# Altium PCB slave.PcbDoc (part 1 of 7) (continued)
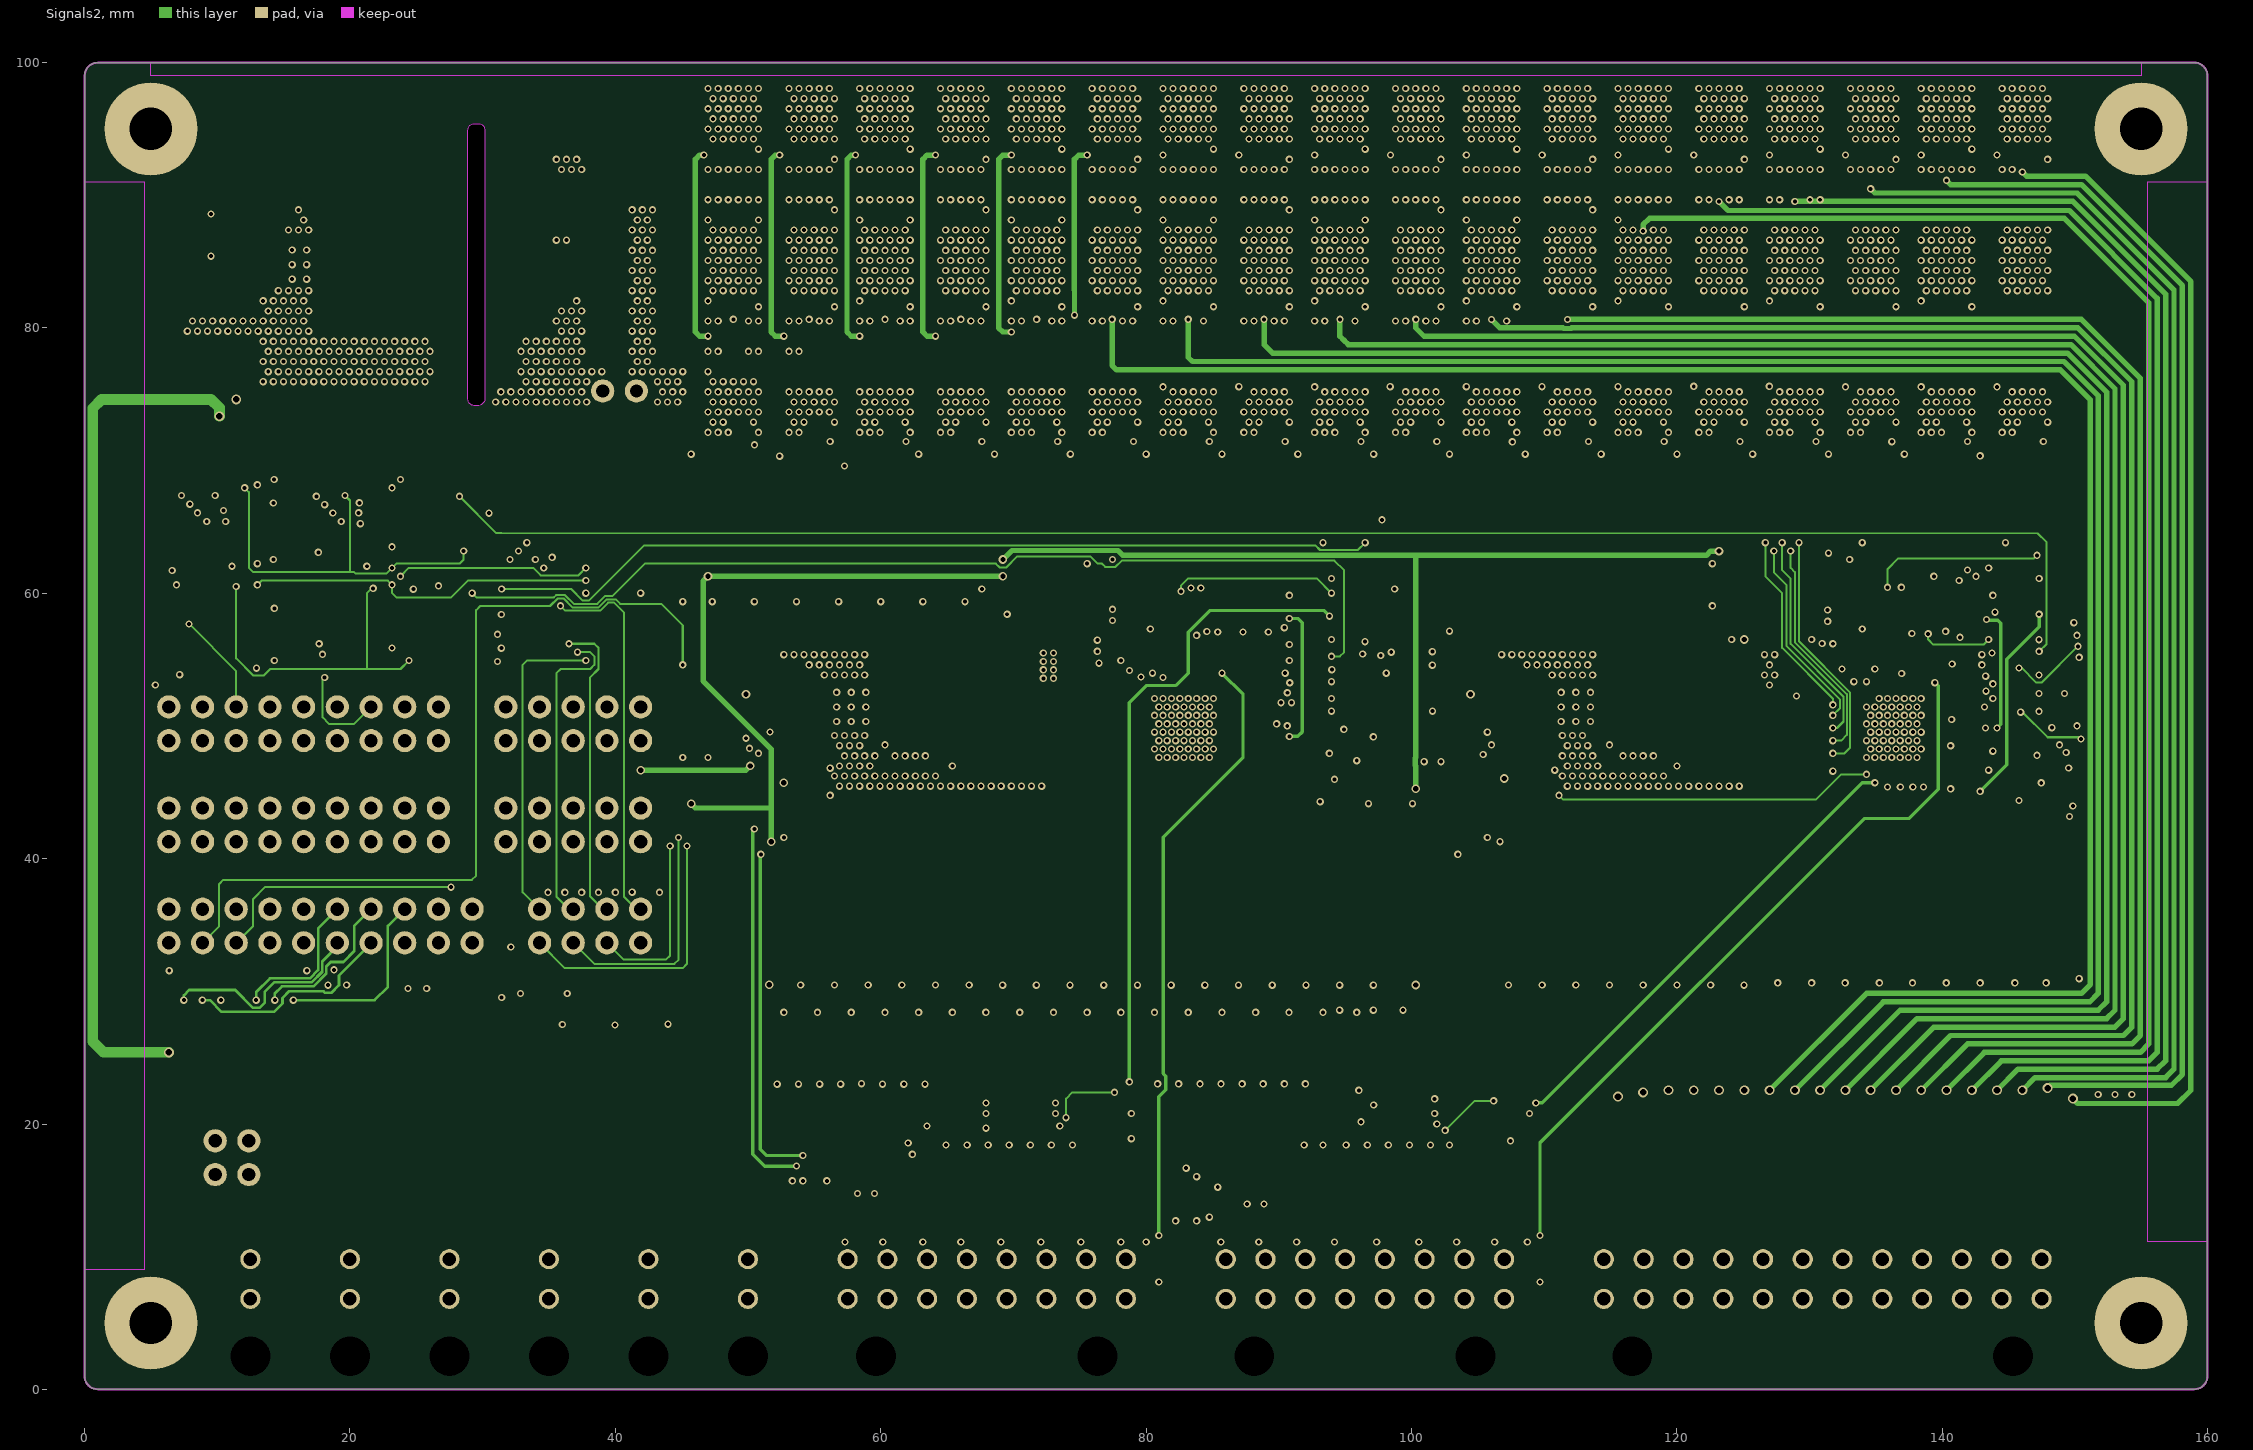
[diagram p4: Signals2]
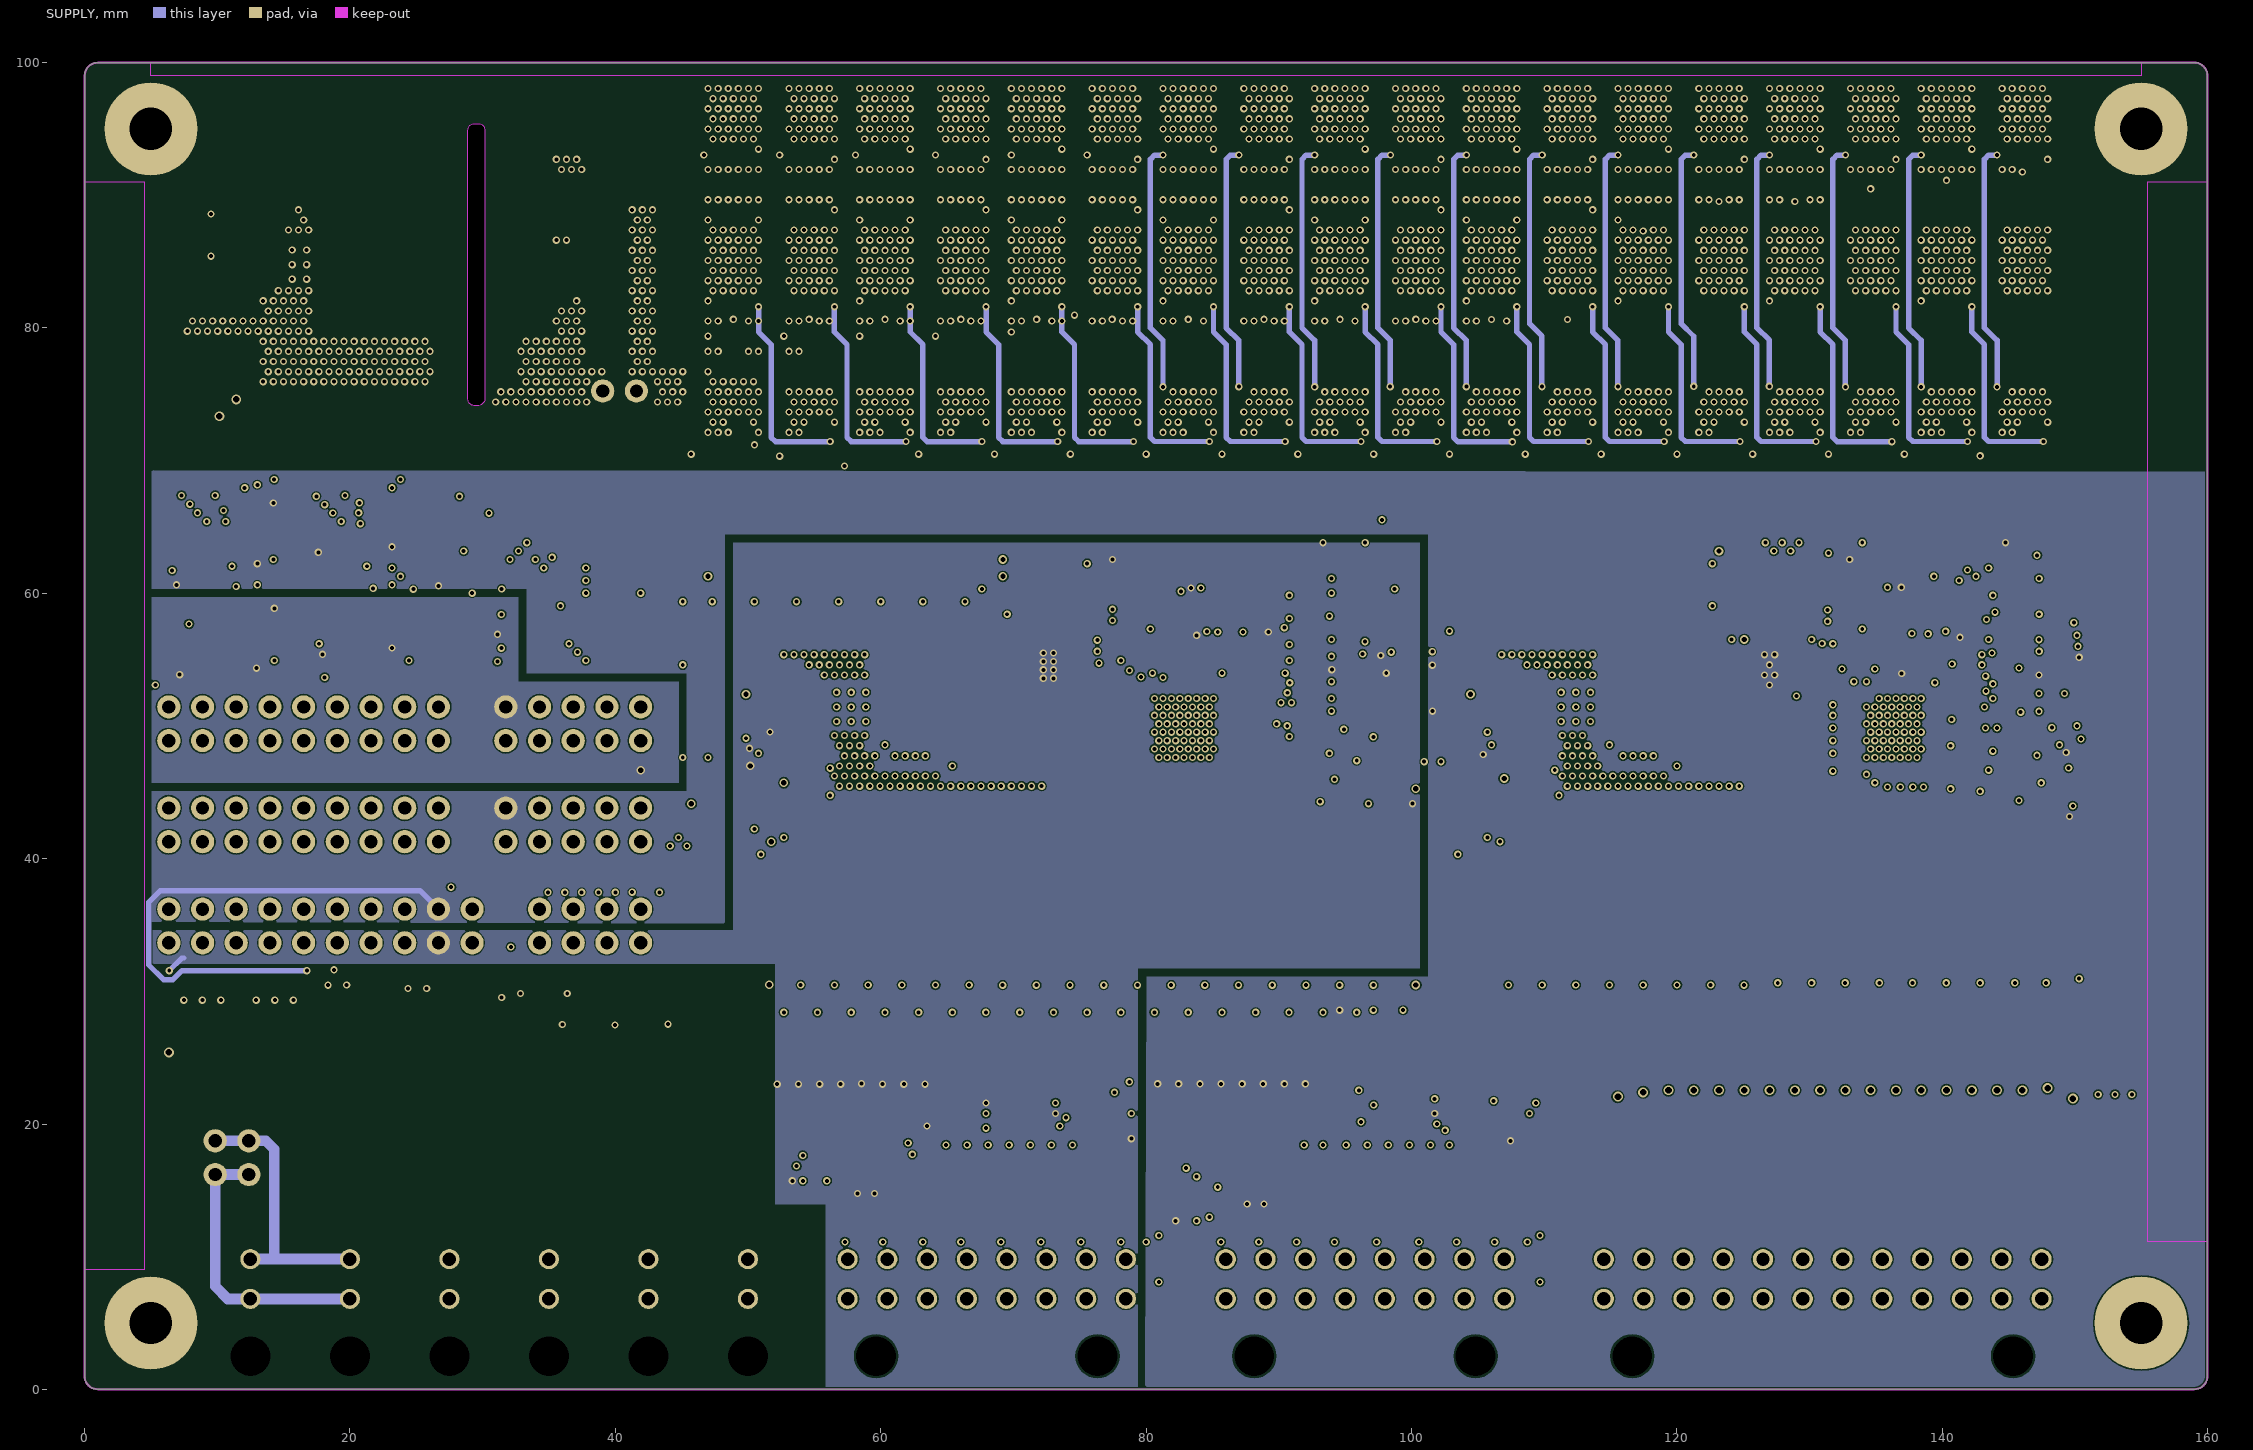
[diagram p5: SUPPLY]

## Layer stack, top to bottom
Top Solder: solder mask 0.015, Solder Resist, Dk 3.5
Top: signal copper 0.035
Dielectric 1: prepreg 0.2, FR-4, Dk 4.2
FUSED_VBAT-: signal copper 0.035
Dielectric2: core 0.35, FR-4, Dk 4.2
Signals1: signal copper 0.035
Dielectric3: prepreg 0.36, FR-4, Dk 4.2
Signals2: signal copper 0.035
Dielectric4: core 0.35, FR-4, Dk 4.2
SUPPLY: signal copper 0.035
Dielectric5: prepreg 0.2, FR-4, Dk 4.2
Bottom: signal copper 0.035
Bottom Solder: solder mask 0.015, Solder Resist, Dk 3.5

## Board outline
1,100 159,100 cw(c159,99) 160,99 160,1 cw(c159,1) 159,0 1,0 cw(c1,1) 0,1 0,99 cw(c1,99)
cut-out: 30.162,94.909 30.162,74.636 cw(c29.595,74.704) 29.527,74.136 29.393,74.136 cw(c29.393,74.636) 28.892,74.636 28.892,94.909 cw(c29.392,94.909) 29.393,95.409 29.663,95.409 cw(c29.663,94.909)

## Design rules (kind name [scope] priority, off if disabled: settings)
AssemblyTestPointUsage [All] p1 off:
AssemblyTestpoint [(IsPad And (OnTopLayer Or OnBottomLayer)) Or (IsPad And OnMultiLayer)] p1 off: testpointundercomponent=FALSE minsize=1.016 maxsize=2.54 preferedsize=1.524 minholesize=0 maxholesize=1.016 preferedholesize=0.813 testpointgrid=0.025 usegrid=TRUE gridtolerance=0 allowsidetop=TRUE
BoardOutlineClearance [All] p1: gap=0.203 ignorepadtopadclearanceinfootprint=FALSE except(0.508: Arc-CavityEdge Track-CavityEdge SMDPad-CavityEdge THPad-CavityEdge Via-CavityEdge Fill-CavityEdge Poly-CavityEdge Region-CavityEdge Text-CavityEdge)
Clearance "Stitching FUSED_CELL_10+" [IsStitchingVia and InNet('FUSED_CELL_10+') vs (IsVia and (Not IsStitchingVia)) Or IsPad] p1: gap=0.127 ignorepadtopadclearanceinfootprint=FALSE
Clearance [All] p2: gap=0.102 ignorepadtopadclearanceinfootprint=TRUE except(0.152: Arc-Text Arc-Hole Track-Text Track-Hole SMDPad-Text SMDPad-Hole THPad-Text THPad-Hole Via-Text Via-Hole Fill-Text Fill-Hole Poly-Text Poly-Hole Region-Text Region-Hole Text-Text Text-Hole; 0.203: Arc-Via Track-Via SMDPad-Via THPad-Via Via-Via)
FabricationTestpoint [All] p1: side=1 testpointundercomponent=TRUE minsize=0.508 maxsize=7.62 preferedsize=1.524 minholesize=0 maxholesize=1.016 preferedholesize=0.813 testpointgrid=0.025 allowsidetop=TRUE usegrid=FALSE gridtolerance=0
HoleSize [All] p1: absolutevalues=TRUE maxlimit=5.994 minlimit=0.2 maxpercent=80.000 minpercent=20.000
HoleToHoleClearance [All] p1: gap=0.152 allowstackedmicrovias=TRUE
MinimumAnnularRing [All] p1: minimumring=0.102
MinimumSolderMaskSliver [All] p1: minsoldermaskwidth=0.102
PlaneConnect [All] p1: planeconnectstyle=Direct reliefexpansion=0.508 reliefentries=4 reliefconductorwidth=0.254 reliefairgap=0.254
PolygonConnect [All] p1: connectstyle=Direct reliefconductorwidth=0.254 reliefentries=4 polygonreliefangle="90 Angle" airgapwidth=0.254
RoutingVias [All] p1: holewidth=0.203 width=0.45 viastyle="Through Hole" minholewidth=0.203 minwidth=0.45 maxholewidth=1 maxwidth=7 useviatemplates=TRUE viatemplateguid#1={0AB7DAA3-F58E-4780-A6E1-94A16C7095C0} viatemplateguid#2={26AB9DC0-33E3-4C9B-870D-B58389854110} viatemplateguid#3={9A71AE2B-4A20-477F-9082-EC06568001AF} viatemplatename#1=0.3mm_tented viatemplatename#2=0.4mm_tented viatemplatename#3=0.5mm_tented
SMDEntry [All] p1: side=TRUE corner=TRUE anyangle=FALSE
SMDToCorner [All] p1: distance=40000
SilkToSolderMaskClearance [IsPad] p1: minsilkscreentomaskgap=0.102 clearancetoexposedcopper=FALSE
SolderMaskExpansion SolderMaskExpansion_VIAs [IsVia] p1: expansion=-10 istentingtop=FALSE // Cover all Vias
SolderMaskExpansion [All] p2: expansion=0.051 istentingtop=FALSE
UnRoutedNet [All] p1: checkbadconnections=TRUE
UnpouredPolygon UnpouredPolygon_1 [All] p1:
Width [All] p1: maxlimit=1.524 minlimit=0.102 preferedwidth=0.152
20 further rules are at their usual default settings.

## Classes and differential pairs
channel class dcdc_converter: U_primary_dcdc_converter U_secondary_dcdc_converter
channel class eeprom_temp_sens: U_primary_eeprom_temp_sens U_secondary_eeprom_temp_sens
channel class digital_io: U_primary_digital_io U_secondary_digital_io
channel class analog_in: U_primary_analog_in U_secondary_analog_in
channel class LTC: U_primary_LTC U_secondary_LTC
channel class input_filter: U_primary_input_filter U_secondary_input_filter
polygon class PolygonThermal_ON_Width60000_Gap78740: Polygon_1_Net_+5.0V_VREG_1
polygon class Isolate_10: Polygon_1_Net_+5.0V_VREG_1
pad class SMDPaste_OFF: IC201-P$1 IC301-P$1

## Components (designator, comment, footprint, x,y, rotation, side; value= is the part's Value field where it differs from the comment)
C100_1 "100n/50V" CAPC1608X08N 109.696,9.842 r90 top (schematic designator C100)
C100_2 "100n/50V" CAPC1608X08N 80.962,9.842 r90 top (schematic designator C100)
C101_1 "1u/50V" CAPC2012X14N 97.314,26.352 r180 top (schematic designator C101)
C101_2 "1u/50V" CAPC2012X14N 63.182,19.844 r90 top (schematic designator C101)
C102_1 "1u/50V" CAPC2012X14N 6.655,61.552 r0 top (schematic designator C102)
C102_2 "1u/50V" CAPC2012X14N 7.166,53.868 r0 top (schematic designator C102)
C103_1 "1u/50V" CAPC2012X14N 107.474,20.796 r270 top (schematic designator C103)
C103_2 "1u/50V" CAPC2012X14N 78.899,20.796 r270 top (schematic designator C103)
C104_1 "1u/50V" CAPC2012X14N 26.65,60.567 r0 top (schematic designator C104)
C104_2 "1u/50V" CAPC2012X14N 29.845,55.88 r90 top (schematic designator C104)
C105_1 "1u/50V" CAPC2012X14N 14.224,64.718 r90 top (schematic designator C105)
C105_2 "1u/50V" CAPC2012X14N 14.306,56.793 r90 top (schematic designator C105)
C106_1 "10n/100V" CAPC1608X08N 145.732,59.69 r0 top (schematic designator C106)
C106_2 "10n/100V" CAPC1608X08N 92.392,59.69 r0 top (schematic designator C106)
C107_1 "10n/100V" CAPC1608X08N 28.575,66.04 r180 top (schematic designator C107)
C107_2 "10n/100V" CAPC1608X08N 28.872,58.725 r180 top (schematic designator C107)
C108_1 "10n/100V" CAPC1608X08N 103.029,16.986 r270 top (schematic designator C108)
C108_2 "10n/100V" CAPC1608X08N 74.454,16.986 r270 top (schematic designator C108)
C109_1 "10n/100V" CAPC1608X08N 101.441,16.986 r270 top (schematic designator C109)
C109_2 "10n/100V" CAPC1608X08N 72.866,16.986 r270 top (schematic designator C109)
C110_1 "10n/100V" CAPC1608X08N 99.854,16.986 r270 top (schematic designator C110)
C110_2 "10n/100V" CAPC1608X08N 71.279,16.986 r270 top (schematic designator C110)
C111_1 "10n/100V" CAPC1608X08N 98.266,16.986 r270 top (schematic designator C111)
C111_2 "10n/100V" CAPC1608X08N 69.691,16.986 r270 top (schematic designator C111)
C112_1 "10n/100V" CAPC1608X08N 96.679,16.986 r270 top (schematic designator C112)
C112_2 "10n/100V" CAPC1608X08N 68.104,16.986 r270 top (schematic designator C112)
C113_1 "10n/100V" CAPC1608X08N 95.091,16.986 r270 top (schematic designator C113)
C113_2 "10n/100V" CAPC1608X08N 66.516,16.986 r270 top (schematic designator C113)
C114_1 "10n/100V" CAPC1608X08N 93.504,16.986 r270 top (schematic designator C114)
C114_2 "10n/100V" CAPC1608X08N 64.929,16.986 r270 top (schematic designator C114)
C115_1 "10n/100V" CAPC1608X08N 91.916,16.986 r270 top (schematic designator C115)
C115_2 "10n/100V" CAPC1608X08N 63.341,16.986 r270 top (schematic designator C115)
C400 "100n/50V" CAPC1608X08N 6.667,46.672 r180 top
C401 "100n/50V" CAPC1608X08N 6.667,39.052 r180 top
C402 "100n/50V" CAPC1608X08N 29.507,42.533 r90 top
C403 "100n/50V" CAPC1608X08N 29.527,50.165 r90 top
C404 "100n/50V" CAPC1608X08N 25.717,38.417 r0 top
C405 "100n/50V" CAPC1608X08N 31.432,36.512 r90 top
C406 "100n/50V" CAPC1608X08N 31.432,33.337 r270 top
C407 "100n/50V" CAPC1608X08N 25.925,31.432 r0 top
C600_1 "1u/250V" CAPC4532X16N 104.457,53.023 r270 top (schematic designator C600)
C600_2 "1u/250V" CAPC4532X16N 49.847,53.023 r270 top (schematic designator C600)
C601_1 "100n/200V" CAPC3216X18N 107.569,53.023 r270 top (schematic designator C601)
C601_2 "100n/200V" CAPC3216X18N 53.023,53.023 r270 top (schematic designator C601)
C602_1 "100n/50V" CAPC1608X08N 117.157,52.705 r270 top locked (schematic designator C602)
C602_2 "100n/50V" CAPC1608X08N 62.547,52.705 r270 top locked (schematic designator C602)
C603_1 "1u/50V" CAPC2012X14N 117.157,49.657 r90 top locked (schematic designator C603)
C603_2 "1u/50V" CAPC2012X14N 62.611,49.593 r90 top locked (schematic designator C603)
C604_1 "100n/50V" CAPC1608X08N 122.237,46.99 r0 top (schematic designator C604)
C604_2 "100n/50V" CAPC1608X08N 67.627,46.99 r0 top (schematic designator C604)
C605_1 "2u2/10V" CAPC2012X14N 124.714,47.625 r90 top (schematic designator C605)
C605_2 "2u2/10V" CAPC2012X14N 70.168,47.625 r90 top (schematic designator C605)
C606_1 "2u2/10V" CAPC2012X14N 126.682,47.625 r90 top (schematic designator C606)
C606_2 "2u2/10V" CAPC2012X14N 72.136,47.625 r90 top (schematic designator C606)
C607_1 "100n/50V" CAPC1608X08N 106.998,47.625 r180 top locked (schematic designator C607)
C607_2 "100n/50V" CAPC1608X08N 52.387,47.625 r180 top locked (schematic designator C607)
C608_1 "10n/100V" CAPC1608X08N 102.87,44.133 r270 top (schematic designator C608)
C608_2 "10n/100V" CAPC1608X08N 48.26,43.815 r270 top (schematic designator C608)
C700_1 "100n/50V" CAPC1608X08N 82.867,13.97 r180 top locked (schematic designator C700)
C700_2 "100n/50V" CAPC1608X08N 53.499,14.764 r180 top (schematic designator C700)
C701_1 "100n/50V" CAPC1608X08N 85.725,13.97 r0 top (schematic designator C701)
C701_2 "100n/50V" CAPC1608X08N 56.455,14.764 r0 top (schematic designator C701)
C800_1 "100n/50V" CAPC1608X08N 151.447,43.974 r0 top (schematic designator C800)
C800_2 "100n/50V" CAPC1608X08N 48.677,48.35 r270 top (schematic designator C800)
C801_1 "100n/50V" CAPC1608X08N 104.457,48.578 r270 top (schematic designator C801)
C801_2 "100n/50V" CAPC1608X08N 98.51,44.147 r0 top (schematic designator C801)
C900 "1u/50V" CAPC2012X14N 11.271,76.041 r180 top
C902 "22u/50V" CAPC2220(5750)230_N 10.001,80.804 r90 top
C903 "100n/50V" CAPC1608X08N 14.287,88.582 r180 top
C904 "1u/50V" CAPC2012X14N 11.43,85.407 r0 top
C905 "470p/100V" CAPC2012X14N 15.875,92.392 r180 top
C906 "4n7/1000V" CAPC4532X16N 29.527,77.47 r0 top locked
C907 "2u2/250V" CAPC2220(5750)230_N 41.434,86.042 r0 top locked
C908 "2u2/250V" CAPC2220(5750)230_N 41.434,80.169 r0 top locked
C1100 "100n/50V" CAPC1608X08N 122.687,57.291 r90 top
C1300_1 "10n/100V" CAPC1608X08N 137.775,33.008 r270 top (schematic designator C1300)
C1300_2 "10n/100V" CAPC1608X08N 84.435,33.008 r270 top (schematic designator C1300)
C1301_1 "10n/100V" CAPC1608X08N 140.315,33.008 r270 top (schematic designator C1301)
C1301_2 "10n/100V" CAPC1608X08N 86.975,33.008 r270 top (schematic designator C1301)
C1302_1 "10n/100V" CAPC1608X08N 142.855,33.008 r270 top (schematic designator C1302)
C1302_2 "10n/100V" CAPC1608X08N 89.515,33.008 r270 top (schematic designator C1302)
C1303_1 "10n/100V" CAPC1608X08N 145.395,33.008 r270 top (schematic designator C1303)
C1303_2 "10n/100V" CAPC1608X08N 92.055,33.008 r270 top (schematic designator C1303)
C1304_1 "10n/100V" CAPC1608X08N 147.935,33.008 r270 top (schematic designator C1304)
C1304_2 "10n/100V" CAPC1608X08N 94.595,33.008 r270 top (schematic designator C1304)
C1305_1 "10n/100V" CAPC1608X08N 150.475,33.008 r270 top (schematic designator C1305)
C1305_2 "10n/100V" CAPC1608X08N 97.135,33.008 r270 top (schematic designator C1305)
C1306_1 "10n/100V" CAPC1608X08N 139.045,41.898 r0 top (schematic designator C1306)
C1306_2 "10n/100V" CAPC1608X08N 85.705,41.898 r0 top (schematic designator C1306)
C1307_1 "10n/100V" CAPC1608X08N 141.617,40.322 r0 top (schematic designator C1307)
C1307_2 "10n/100V" CAPC1608X08N 88.265,40.322 r0 top (schematic designator C1307)
C1308_1 "10n/100V" CAPC1608X08N 144.125,41.898 r0 top (schematic designator C1308)
C1308_2 "10n/100V" CAPC1608X08N 90.785,41.898 r0 top (schematic designator C1308)
C1309_1 "10n/100V" CAPC1608X08N 146.685,40.322 r0 top (schematic designator C1309)
C1309_2 "10n/100V" CAPC1608X08N 93.345,40.322 r0 top (schematic designator C1309)
C1310_1 "10n/100V" CAPC1608X08N 149.205,41.898 r0 top (schematic designator C1310)
C1310_2 "10n/100V" CAPC1608X08N 95.865,41.898 r0 top (schematic designator C1310)
C1311_1 "10n/100V" CAPC1608X08N 151.765,40.322 r0 top (schematic designator C1311)
C1311_2 "10n/100V" CAPC1608X08N 98.425,40.322 r0 top (schematic designator C1311)
C1312_1 "10n/100V" CAPC1608X08N 122.555,33.02 r270 top (schematic designator C1312)
C1312_2 "10n/100V" CAPC1608X08N 69.195,33.008 r270 top (schematic designator C1312)
C1313_1 "10n/100V" CAPC1608X08N 125.075,33.008 r270 top (schematic designator C1313)
C1313_2 "10n/100V" CAPC1608X08N 71.735,33.008 r270 top (schematic designator C1313)
C1314_1 "10n/100V" CAPC1608X08N 127.615,33.008 r270 top (schematic designator C1314)
C1314_2 "10n/100V" CAPC1608X08N 74.275,33.008 r270 top (schematic designator C1314)
C1315_1 "10n/100V" CAPC1608X08N 130.155,33.008 r270 top (schematic designator C1315)
C1315_2 "10n/100V" CAPC1608X08N 76.815,33.008 r270 top (schematic designator C1315)
C1316_1 "10n/100V" CAPC1608X08N 132.695,33.008 r270 top (schematic designator C1316)
C1316_2 "10n/100V" CAPC1608X08N 79.355,33.008 r270 top (schematic designator C1316)
C1317_1 "10n/100V" CAPC1608X08N 135.235,33.008 r270 top (schematic designator C1317)
C1317_2 "10n/100V" CAPC1608X08N 81.895,33.008 r270 top (schematic designator C1317)
C1318_1 "10n/100V" CAPC1608X08N 123.805,41.898 r0 top (schematic designator C1318)
C1318_2 "10n/100V" CAPC1608X08N 70.465,41.898 r0 top (schematic designator C1318)
C1319_1 "10n/100V" CAPC1608X08N 126.365,40.322 r0 top (schematic designator C1319)
C1319_2 "10n/100V" CAPC1608X08N 73.025,40.322 r0 top (schematic designator C1319)
C1320_1 "10n/100V" CAPC1608X08N 128.885,41.898 r0 top (schematic designator C1320)
C1320_2 "10n/100V" CAPC1608X08N 75.545,41.898 r0 top (schematic designator C1320)
C1321_1 "10n/100V" CAPC1608X08N 131.445,40.322 r0 top (schematic designator C1321)
C1321_2 "10n/100V" CAPC1608X08N 78.105,40.322 r0 top (schematic designator C1321)
C1322_1 "10n/100V" CAPC1608X08N 133.965,41.898 r0 top (schematic designator C1322)
C1322_2 "10n/100V" CAPC1608X08N 80.625,41.898 r0 top (schematic designator C1322)
C1323_1 "10n/100V" CAPC1608X08N 136.525,40.322 r0 top (schematic designator C1323)
C1323_2 "10n/100V" CAPC1608X08N 83.185,40.322 r0 top (schematic designator C1323)
C1324_1 "10n/100V" CAPC1608X08N 107.315,33.02 r270 top (schematic designator C1324)
C1324_2 "10n/100V" CAPC1608X08N 53.975,33.02 r270 top (schematic designator C1324)
C1325_1 "10n/100V" CAPC1608X08N 109.855,33.02 r270 top (schematic designator C1325)
C1325_2 "10n/100V" CAPC1608X08N 56.515,33.02 r270 top (schematic designator C1325)
C1326_1 "10n/100V" CAPC1608X08N 112.395,33.02 r270 top (schematic designator C1326)
C1326_2 "10n/100V" CAPC1608X08N 59.055,33.02 r270 top (schematic designator C1326)
C1327_1 "10n/100V" CAPC1608X08N 114.935,33.02 r270 top (schematic designator C1327)
C1327_2 "10n/100V" CAPC1608X08N 61.595,33.02 r270 top (schematic designator C1327)
C1328_1 "10n/100V" CAPC1608X08N 117.475,33.02 r270 top (schematic designator C1328)
C1328_2 "10n/100V" CAPC1608X08N 64.135,33.02 r270 top (schematic designator C1328)
C1329_1 "10n/100V" CAPC1608X08N 120.015,33.02 r270 top (schematic designator C1329)
C1329_2 "10n/100V" CAPC1608X08N 66.675,33.02 r270 top (schematic designator C1329)
C1330_1 "10n/100V" CAPC1608X08N 108.585,41.91 r0 top (schematic designator C1330)
C1330_2 "10n/100V" CAPC1608X08N 55.245,41.91 r0 top (schematic designator C1330)
C1331_1 "10n/100V" CAPC1608X08N 111.125,40.322 r0 top (schematic designator C1331)
C1331_2 "10n/100V" CAPC1608X08N 57.785,40.322 r0 top (schematic designator C1331)
C1332_1 "10n/100V" CAPC1608X08N 113.665,41.91 r0 top (schematic designator C1332)
C1332_2 "10n/100V" CAPC1608X08N 60.325,41.91 r0 top (schematic designator C1332)
C1333_1 "10n/100V" CAPC1608X08N 116.205,40.322 r0 top (schematic designator C1333)
C1333_2 "10n/100V" CAPC1608X08N 62.865,40.322 r0 top (schematic designator C1333)
C1334_1 "10n/100V" CAPC1608X08N 118.745,41.91 r0 top (schematic designator C1334)
C1334_2 "10n/100V" CAPC1608X08N 65.405,41.91 r0 top (schematic designator C1334)
C1335_1 "10n/100V" CAPC1608X08N 121.285,40.322 r0 top (schematic designator C1335)
C1335_2 "10n/100V" CAPC1608X08N 67.945,40.322 r0 top (schematic designator C1335)
C1400_1 "100n/200V" CAPC3216X18N 129.54,59.69 r90 top locked (schematic designator C1400)
C1400_2 "100n/200V" CAPC3216X18N 75.565,59.69 r90 top (schematic designator C1400)
C1401_1 "1u/50V" CAPC2012X14N 142.13,59.055 r270 top (schematic designator C1401)
C1401_2 "1u/50V" CAPC2012X14N 89.218,59.055 r270 top (schematic designator C1401)
C1402_1 "1u/50V" CAPC2012X14N 140.272,59.055 r270 top (schematic designator C1402)
C1402_2 "1u/50V" CAPC2012X14N 87.312,59.055 r270 top (schematic designator C1402)
C1403_1 "1u/50V" CAPC2012X14N 138.493,59.055 r270 top locked (schematic designator C1403)
C1403_2 "1u/50V" CAPC2012X14N 85.407,59.055 r270 top locked (schematic designator C1403)
C1404_1 "100p/50V" CAPC1608X08N 38.735,29.845 r270 top (schematic designator C1404)
C1404_2 "100p/50V" CAPC1608X08N 22.86,29.845 r270 top (schematic designator C1404)